# KiCad board uq_phone.kicad_pcb (continued)
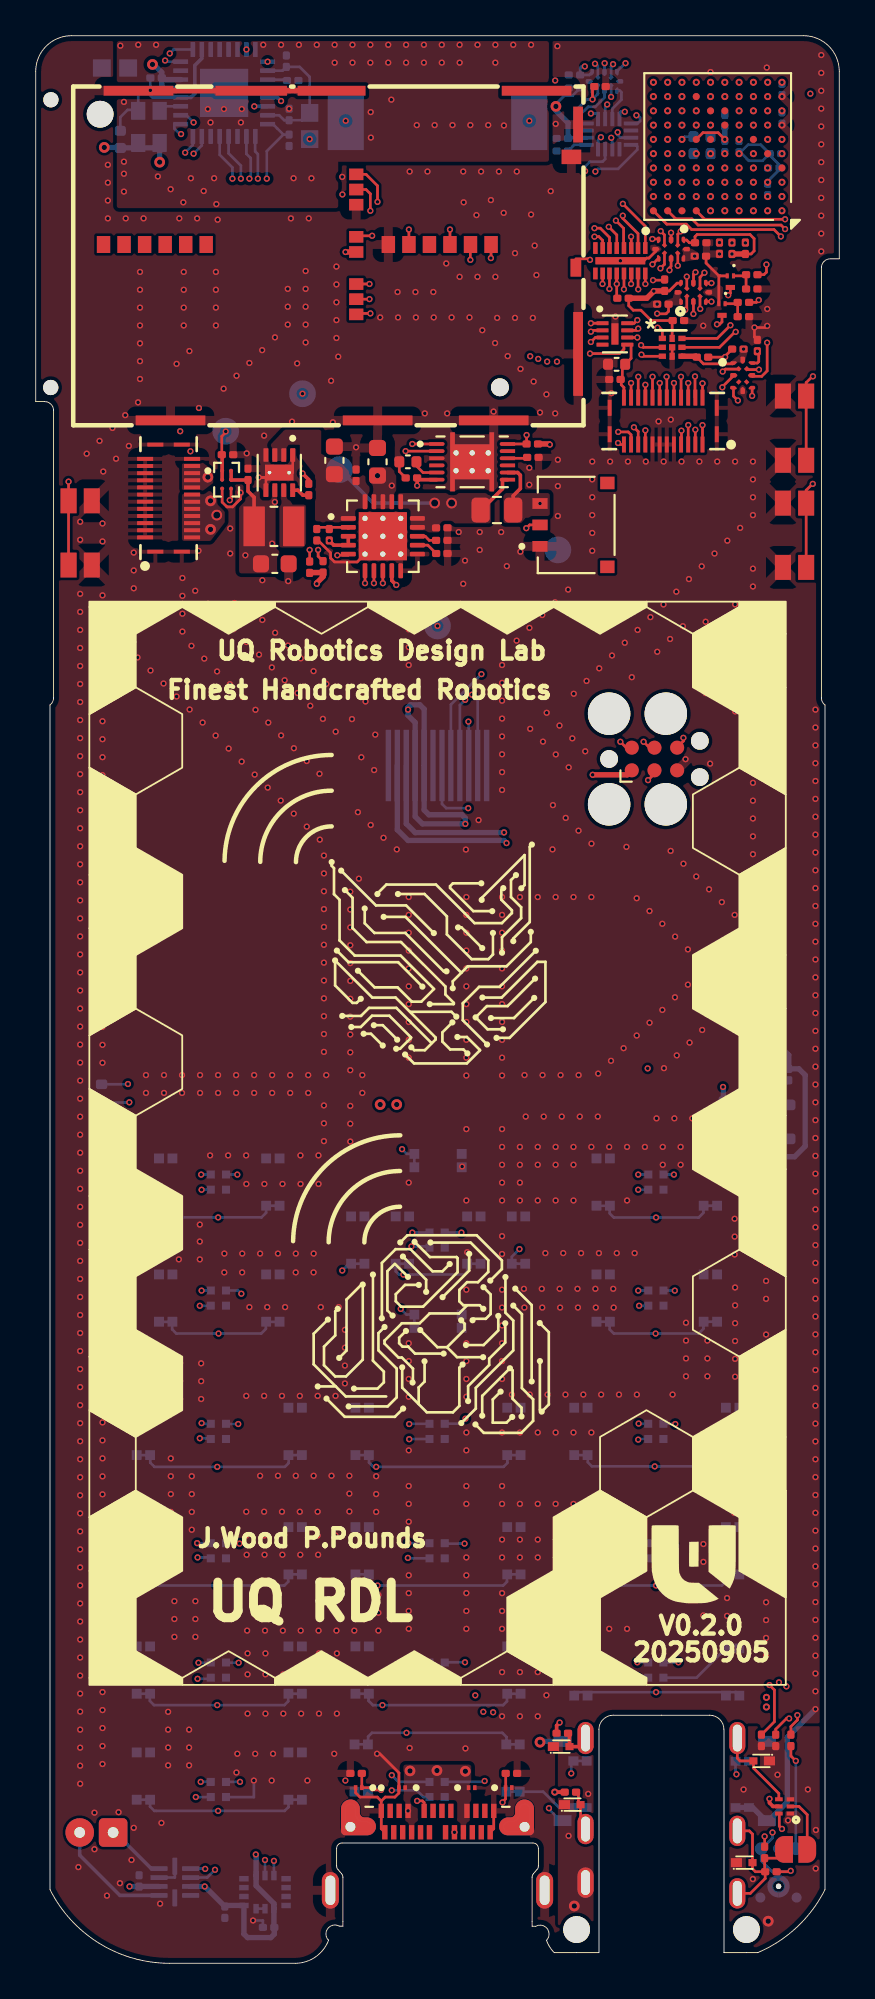
[diagram p0: board, top side]
## Routing (per net, layer and track width the routed paths; a pad name or vN(x,y) marks a point on that pad's centre or on a via; arc(x,y) is an arc through that point) (continued)
VBAT: length 22
  Top w0.2: U3.7 26.14,83.12 26.14,82.62 24.95,81.42 R9.2
  In2.Cu w0.825: v2(23.29,81.81) 14.47,81.81 13.79,81.14 v2(10.14,81.14)
  Bottom w0.2: TP3.1 18.9,81.81 v2(22.34,81.81)
  vias: v3(9.79,81.94) v3(9.79,80.34)
AUD_BCLK: length 28.7
  In1.Cu w0.15: v1(33.64,103.54) 33.34,103.54 32.77,102.97 31.41,102.97 30.74,102.3 19.8,102.3 18.51,101.01 8.68,101.01 8.37,101.33 v1(8.37,101.45)
  Bottom w0.15: v1(33.64,103.54) 33.72,103.54 33.84,103.41 33.84,103.21 33.72,103.09 33.34,103.09 U13.5 ; v1(8.37,101.45) 8.8,101.88 U14.8
AUD_IN: length 29
  In1.Cu w0.15: v1(32.59,102.59) 32.46,102.72 31.52,102.72 30.85,102.04 19.94,102.04 18.65,100.76 8.52,100.76 7.99,101.29 7.99,102.34 v1(8.14,102.49)
  Bottom w0.15: U13.7 32.75,102.28 32.59,102.44 v1(32.59,102.59) ; v1(8.14,102.49) 8.07,102.49 7.77,102.79 7.77,103.04 U14.9
AUD_OUT: length 29.8
  In1.Cu w0.15: v1(8.84,103.14) 8.26,103.14 7.74,102.62 7.74,101.19 8.42,100.51 18.76,100.51 20.04,101.79 31.74,101.79 31.95,102 31.95,102.01 v1(32.23,102.28)
  Bottom w0.15: v1(8.84,103.14) 8.44,103.54 U14.10 ; U13.10 32.29,102.22 v1(32.23,102.28)
AUD_SCL: length 36.9
  Top w0.15: v1(33.9,90.66) 34.02,90.54 U5.2
  In2.Cu w0.15: v1(7.24,106.61) 7.28,106.64 7.34,106.64 8.19,105.79 17.49,105.79 30.19,93.09 33.56,93.09 34.12,92.53 34.12,90.88 v1(33.9,90.66)
  Bottom w0.15: v1(7.24,106.61) 7.28,106.64 7.34,106.64 7.44,106.54 U14.16
AUD_SDA: length 38.1
  Top w0.15: U5.3 34.01,90.04 v1(33.92,90.13)
  In2.Cu w0.15: v1(7.51,107.01) 8.47,106.04 17.59,106.04 30.29,93.34 33.66,93.34 34.37,92.63 34.37,90.58 v1(33.92,90.13)
  Bottom w0.15: U14.17 7.73,107.23 v1(7.51,107.01)
AUD_SW_H: length 4.6
  In2.Cu w0.15: v1(34.59,105.39) 33.95,106.03 31.72,106.03 v1(31.32,106.43)
  Bottom w0.15: U19.2 31.48,106.31 31.36,106.43 v1(31.32,106.43)
AUD_SW_L: length 4.6
  Top w0.15: v1(31.18,104.43) 31.18,105.05 R28.2
  Bottom w0.15: U19.10 31.48,104.73 v1(31.18,104.43) 30.86,104.43 30.19,103.76 30.19,102.82 30.33,102.68 30.85,102.68 30.84,102.68
AUD_SYNC: length 26.5
  In1.Cu w0.15: v1(8.84,101.39) 8.97,101.26 18.41,101.26 19.69,102.55 30.55,102.55 32,104 v1(32,104.15)
  Bottom w0.15: v1(8.84,101.39) 9.3,101.85 U14.7 ; U13.2 31.89,104.04 v1(32,104.15)
BAT_THERM: length 13.3
  Top w0.15: v1(16.89,78.89) 17.51,78.89 ; v1(27.47,80.41) 27.66,80.59 J3.2
  In2.Cu w0.15: v1(16.89,78.89) 16.94,78.84 17.23,78.84 17.95,78.12 25.18,78.12 v1(27.47,80.41)
DISP_BL: length 59.1
  In1.Cu w0.15: v1(43.38,104.75) 43.38,89.3 43.37,89.29 43.37,89.29 43.15,89.07 43.15,89.07 40.88,86.8 40.88,51.29 v1(41.27,50.9)
  In3.Cu w0.15: v1(40.19,104.59) 40.57,104.97 43.12,104.97 43.33,104.75 v1(43.38,104.75)
  Bottom w0.15: v1(41.27,50.9) 41.27,50.37 R26.2
DISP_CS: length 49.6
  In3.Cu w0.15: 36.19,104.61 v1(36.19,104.59) 35.77,105.01 35.77,106.07 35,106.84 30.74,106.84 30.36,106.46 30.36,102 29.89,101.52 29.89,79.05 24.3,73.47 24.3,71.21 v1(24.43,71.08)
  Bottom w0.15: v1(24.43,71.08) 24.75,70.76 DISP1.2
DISP_DC: length 44.4
  In3.Cu w0.15: v1(24.23,69.57) 24.96,70.3 24.96,71.63 24.55,72.04 24.55,73.36 30.14,78.95 30.14,101.42 32.88,104.17 35.81,104.17 v1(36.19,103.79)
  Bottom w0.15: DISP1.3 24.25,69.55 v1(24.23,69.57)
DISP_LEDK: length 33.7
  In1.Cu w0.3: v1(26.37,62.76) 28.27,60.86 35.26,60.86 38.49,57.63 v1(38.49,49.1)
  Bottom w0.3: R27.2 38.51,49.08 v1(38.49,49.1) ; DISP1.11 20.25,63.51 20.85,62.91 26.22,62.91 v1(26.37,62.76)
DISP_RESET: length 48.2
  In3.Cu w0.15: v1(36.19,102.99) 35.81,102.61 34.46,102.61 30.64,98.79 30.64,78.74 25.47,73.57 25.47,65.17 25.02,64.72 v1(24.22,64.72)
  Bottom w0.15: DISP1.6 22.75,64.96 22.99,64.72 v1(24.22,64.72)
DISP_SCL: length 51.8
  In3.Cu w0.15: v1(37.79,104.59) 37.64,104.59 37.39,104.84 37.39,106.19 36.49,107.09 30.63,107.09 30.11,106.56 30.11,102.1 29.64,101.63 29.64,79.16 24.05,73.57 v1(24.05,70.79)
  Bottom w0.15: v1(24.05,70.79) 23.75,70.49 DISP1.4
DISP_SDA: length 44.4
  In3.Cu w0.15: v1(24.96,72.23) 24.96,73.41 30.39,78.84 30.39,100.71 31.02,101.34 32.31,101.34 34.34,103.37 36.61,103.37 v1(36.99,102.99)
  Bottom w0.15: DISP1.5 23.25,70.52 24.96,72.23 v1(24.96,72.23)
FUEL_GPO: length 43.1
  Top w0.15: U3.12 R6.1 v1(27.49,85.62)
  In1.Cu w0.15: v1(27.49,85.62) 20.41,85.62 16.32,89.71 16.32,96.65 20.45,100.79 32.64,100.79 34.44,102.59 34.99,102.59 v1(35.39,102.99)
HP_DET: length 85.4
  Top w0.15: v1(39.32,87.56) 39.08,87.8 U20.5 ; U9.6 41.64,8.36 41.64,7.68 v1(41.79,7.53)
  In1.Cu w0.15: v1(41.79,7.53) 41.82,7.5 41.82,7.17 41.22,6.57 40.68,6.57 40.18,7.07 40.18,50.76 40.61,51.19 40.61,86.27 v1(39.32,87.56)
HP_DET_MCU: length 30.3
  Top w0.15: U20.7 40.12,88.26 v1(40.12,87.82)
  In1.Cu w0.15: v1(34.59,104.59) 35.01,105.01 35.01,105.65 36.46,107.1 41.81,107.1 42.99,105.92 42.99,90.3 40.51,87.82 v1(40.12,87.82)
HP_LEFT: length 130.6
  Top w0.2: v1(29.34,13.49) 29.17,13.32 C48.1
  In2.Cu w0.211: v4(40.92,14.9) 42.04,14.9 42.45,15.3 42.45,53.88 34.65,61.68 19.71,61.68 7.34,74.05 7.34,86.36 13.35,92.36 13.35,103.28 12.59,104.04 v1(12.24,104.04)
  In4.Cu w0.211: v4(40.92,14.9) 40.53,14.9 40.29,14.65 30.78,14.65 30.57,14.44 30.29,14.44 v1(29.34,13.49) ; v4(40.92,14.9) 40.94,14.92 40.94,14.98 ; v4(40.92,14.9) 40.98,14.9 41,14.92
  Bottom w0.211: U14.30 12.98,104.04 v1(12.24,104.04)
HP_LEFT_DET: length 4.8
  Top w0.15: U9.4 41.62,9.51 40.19,10.94 D8.2 39.44,11.34 39.29,11.49 J1.4
HP_MIC: length 122.3
  Top w0.15: v1(40.82,7.11) C47.1 ; 40.82,6.42 40.74,6.5
  In1.Cu w0.15: v1(40.82,7.11) 40.82,7.31 40.44,7.69 40.44,13.16 41.62,14.34 v1(41.62,15.74)
  In2.Cu w0.15: v1(41.62,15.74) 41.67,15.74 41.92,15.99 41.92,52.32 33.59,60.64 19.28,60.64 6.31,73.62 6.31,86.78 11.49,91.97 v1(11.49,99.99)
  Bottom w0.15: v1(11.49,99.99) 11.49,100.72 10.8,101.41 U14.4
HP_MIC_GND: length 115.7
  Top w0.15: v1(41.09,15.59) 41.37,15.31 41.37,13.54 C45.1
  In2.Cu w0.15: v1(41.09,15.59) 41.09,15.74 41.66,16.31 41.66,52.22 33.49,60.39 19.18,60.39 6.05,73.52 6.05,86.89 11.01,91.85 v1(11.01,99.99)
  Bottom w0.15: U14.5 10.3,101.33 11.01,100.62 v1(11.01,99.99)
HP_RIGHT: length 134.2
  Top w0.211: v4(29.07,9.59) 29.62,9.59 C49.1
  In2.Cu w0.211: v1(13.74,104.34) 13.74,94.01 13.71,93.98 13.71,93.65 13.74,93.62 13.74,93.01 13.71,92.98 13.71,92.65 13.74,92.62 13.74,92.31 7.65,86.23 7.65,74.18 19.84,61.99 34.78,61.99 35.05,61.71 35.07,61.71 42.77,54.01 42.77,15.09 42.04,14.36 40.97,14.36 40.92,14.41 v4(40.92,14.36)
  In4.Cu w0.211: 40.81,14.34 30.91,14.34 29.07,12.5 v4(29.07,9.59) ; v4(40.92,14.36) 40.92,14.41
  Bottom w0.211: v1(13.74,104.34) 13.54,104.54 U14.29
LED_DATA: length 91
  In2.Cu w0.15: v1(40.99,105.39) 41.37,105.01 42.07,105.01 42.89,104.19 42.89,58.69 v1(41.49,57.29) ; v1(34.27,50.14) 33.4,49.26 v1(5.17,49.26)
  In3.Cu w0.15: v1(34.27,50.14) 41.42,57.29 v1(41.49,57.29)
  Bottom w0.15: R42.2 5.15,49.25 v1(5.17,49.26)
MCP_PG: length 42.7
  Top w0.15: U2.6 v1(18.44,77.32)
  In1.Cu w0.15: v1(34.59,102.99) 34.34,102.99 32.39,101.04 20.35,101.04 16.06,96.75 16.06,79.52 16.51,79.07 16.51,78.37 17.54,77.34 18.43,77.34 v1(18.44,77.32)
MCP_STAT1: length 47.1
  Top w0.15: 34.54,103.74 v1(34.59,103.79) ; 19.44,77.95 v1(19.44,77.32) ; R24.1 v1(15.34,79.19)
  In1.Cu w0.15: v1(34.59,103.79) 34.43,103.79 32.18,101.54 20.14,101.54 15.54,96.94 15.54,79.54 15.34,79.34 v1(15.34,79.19) 15.34,78.24 16.94,76.64 18.79,76.64 19.44,77.29 v1(19.44,77.32)
MCP_STAT2: length 46.1
  Top w0.15: R23.1 15.82,78.83 v1(15.82,79.19) ; 18.94,77.95 v1(18.94,77.32)
  In1.Cu w0.15: v1(18.94,77.32) 18.94,77.29 18.6,76.95 17.43,76.95 15.82,78.56 v1(15.82,79.19) 15.81,79.19 15.81,96.86 20.25,101.29 32.29,101.29 34.39,103.39 34.99,103.39 v1(35.39,103.79)
MCU_AUD_BCLK_H: length 10.1
  In2.Cu w0.15: v1(40.19,103.79) 39.79,104.19 39.79,105.86 39.04,106.61 33.18,106.61 v1(33.03,106.46)
  Bottom w0.15: U19.5 32.56,105.94 32.56,106.01 33.01,106.46 v1(33.03,106.46)
MCU_AUD_BCLK_L: length 2
  Bottom w0.15: U13.3 32.29,103.9 32.8,104.41 32.8,104.83 32.71,104.92 U19.7
MCU_AUD_OUT_L: length 4.2
  In2.Cu w0.15: v1(32.22,104.57) 31.89,104.57 31.55,104.23 31.55,102.41 v1(31.65,102.31)
  Bottom w0.15: U13.12 31.49,102.15 v1(31.65,102.31) ; v1(32.22,104.57) U19.8
MCU_AUD_OUT_L_H: length 9.7
  In2.Cu w0.15: v1(40.19,105.39) 40.19,105.89 39.22,106.86 32.79,106.86 v1(32.33,106.4)
  Bottom w0.15: v1(32.33,106.4) 32.22,106.29 U19.4
MCU_AUD_SYNC_H: length 13.1
  In2.Cu w0.15: v1(40.19,102.99) 40.59,103.39 40.59,105.97 39.45,107.11 32.51,107.11 31.86,106.46 v1(31.86,106.46)
  Bottom w0.15: U19.3 31.85,106.45 v1(31.86,106.46)
MCU_AUD_SYNC_L: length 2.9
  Bottom w0.15: 30.85,103.08 30.6,103.08 30.49,103.19 30.49,103.57 30.93,104.02 31.34,104.02 31.84,104.52 31.84,104.73 31.85,104.73 U19.9
MCU_CTS: length 4.2
  Top w0.15: U17.4 35.21,96.84 v1(35,97.05)
  In1.Cu w0.15: v1(35,97.05) 34.15,97.9 34.15,99.35 v1(34.59,99.79)
MCU_DCD: length 6.2
  Top w0.15: v1(37.45,94.72) 37.2,94.47 U18.8
  In2.Cu w0.15: v1(37.45,94.72) 37.41,94.76 37.41,99.37 v1(36.99,99.79)
MCU_DSR: length 7.5
  Top w0.15: v1(36.95,94.75) 36.84,94.64 36.84,94.13 U18.9
  In1.Cu w0.15: v1(35.39,100.59) 35.77,100.21 35.77,97.93 37.38,96.31 37.38,95.18 v1(36.95,94.75)
MCU_DTR: length 7.5
  Top w0.15: v1(37.84,94.14) 37.7,94.14 37.7,94.13 U18.7
  In1.Cu w0.15: v1(36.19,100.59) 36.59,100.19 36.59,97.89 37.84,96.64 v1(37.84,94.14)
MCU_RI: length 10.7
  Top w0.15: v1(36.46,94.5) U18.10
  In1.Cu w0.15: v1(34.59,102.19) 33.65,101.25 33.65,96.96 34.37,96.23 35.68,96.23 36.46,95.45 v1(36.46,94.5)
MCU_RTS: length 2.9
  Top w0.15: U17.3 v1(35.58,96.96)
  In1.Cu w0.15: v1(34.59,98.99) 34.59,97.99 35.58,97 v1(35.58,96.96)
MCU_RXD: length 4.9
  Top w0.15: v1(34.53,96.61) 34.84,96.61 U17.5
  In1.Cu w0.15: v1(34.53,96.61) 33.9,97.24 33.9,99.9 v1(34.59,100.59)
MCU_TXD: length 4.2
  Top w0.15: U17.2 35.96,96.27 35.96,96.88 v1(36.12,97.04)
  In1.Cu w0.15: v1(35.39,99.79) 35.01,99.41 35.01,98.15 v1(36.12,97.04)
MIC_BIAS: length 128.2
  Top w0.15: v1(42.28,5.18) 42.23,5.13 R36.2
  In1.Cu w0.15: v1(41.26,7.33) 40.69,7.9 40.69,13.04 42.04,14.39 v1(42.04,15.51)
  In2.Cu w0.15: v1(42.04,15.51) 42.07,15.51 42.17,15.62 42.17,53.76 34.53,61.4 19.59,61.4 7.06,73.93 7.06,86.47 12.94,92.35 v1(12.94,99.99)
  Bottom w0.15: v1(42.28,5.18) 42.23,5.13 41.24,5.13 40.63,5.74 MK1.4 40.67,6.42 41.26,7.02 v1(41.26,7.33) ; v1(12.94,99.99) 12.94,101.53 13.87,102.46 ; 13.87,102.46 13.29,103.04 U14.32 ; 13.87,102.46 C44.1
MIC_GND: length 115.9
  Top w0.15: C37.2 41.44,13.11 42.04,13.71 v1(42.19,13.71)
  In1.Cu w0.15: v1(42.19,13.71) 42.19,13.99 42.62,14.42 42.62,52.16 v1(41.44,53.34)
  In2.Cu w0.15: v1(11.96,99.99) 11.96,92.09 6.56,86.68 6.56,73.72 19.39,60.89 33.89,60.89 v1(41.44,53.34)
  Bottom w0.15: U14.2 11.8,101.38 12.04,101.14 12.04,100.07 v1(11.96,99.99)
MIC_OUT: length 115.8
  Top w0.15: 42.34,12.81 42.29,12.86 42.29,13.26 42.65,13.63 v1(42.65,13.9)
  In1.Cu w0.15: v1(41.44,53.94) 42.87,52.51 42.87,14.12 v1(42.65,13.9)
  In2.Cu w0.15: v1(12.44,99.99) 12.44,92.21 6.81,86.58 6.81,73.83 19.49,61.15 34.23,61.15 v1(41.44,53.94)
  Bottom w0.15: v1(12.44,99.99) 12.44,101.36 12.29,101.51 12.29,102.35 U14.1
MIC_PIN: length 8.3
  Top w0.15: JP1.1 41.91,5.89 C47.2 40.82,5.16 R36.1 ; R36.1 40.85,4.75 40.02,3.92 J1.6 ; R36.1 40.31,5.13 40.14,5.3 D11.2 40.14,7.24 39.96,7.42 J1.5
MOB_AUD_BCLK: length 24.1
  Top w0.15: 34.14,85.09 v1(34.14,85.89)
  In2.Cu w0.15: v1(34.14,85.89) 34.14,86.09 33.72,86.51 31.71,86.51 29.19,89.03 v1(29.19,89.74)
  In4.Cu w0.15: v1(29.19,89.74) 29.19,97.71 32.99,101.51 v1(32.99,103.74)
  Bottom w0.15: U13.4 32.69,103.66 32.77,103.74 v1(32.99,103.74)
MOB_AUD_IN: length 22.9
  Top w0.15: 33.74,85.09 33.74,85.82 v1(33.5,86.06)
  In2.Cu w0.15: v1(28.64,89.74) 28.64,89.23 31.67,86.2 33.36,86.2 v1(33.5,86.06)
  In4.Cu w0.15: v1(31.34,100.39) 28.94,97.99 28.94,90.04 v1(28.64,89.74)
  Bottom w0.15: 33.34,101.88 33.6,101.88 33.69,101.79 33.69,101.61 32.62,100.54 31.49,100.54 v1(31.34,100.39)
MOB_AUD_OUT: length 21.6
  Top w0.15: 33.34,85.09 33.34,85.64 33.18,85.8 v1(32.62,85.8)
  In2.Cu w0.15: v1(32.62,85.8) 31.71,85.8 28.14,89.37 v1(28.14,89.89)
  In4.Cu w0.15: 28.21,89.82 v1(28.14,89.89) 28.69,90.44 28.69,98.19 30.77,100.26 v1(30.77,100.41)
  Bottom w0.15: v1(30.77,100.41) 30.77,100.66 31.04,100.94 31.74,100.94 31.89,101.09 U13.11
MOB_AUD_SYNC: length 23.5
  Top w0.15: 32.94,85.09 32.7,85.09 v1(32.61,85.18)
  In2.Cu w0.15: v1(27.69,90.04) 27.64,89.99 27.64,89.52 31.98,85.18 v1(32.61,85.18) ; 31.04,103.59 v1(31.09,103.64)
  In4.Cu w0.15: v1(31.09,103.64) 31.09,102.34 30.19,101.44 30.19,100.11 28.44,98.36 28.44,90.79 v1(27.69,90.04)
  Bottom w0.15: v1(31.09,103.64) 31.49,103.64 U13.1
MOB_CTS: length 8.8
  Top w0.15: J9.18 35.34,88.88 v1(35.33,88.89) ; J9.18 35.34,87.4 ; J9.18 35.33,87.74 ; v1(34.99,94.96) 35.21,95.19 U17.8
  In2.Cu w0.15: v1(35.33,88.89) 35.33,89.32 35.47,89.46 35.47,94.35 34.99,94.83 v1(34.99,94.96)
MOB_DCD: length 5.8
  Top w0.15: 36.94,87.41 36.94,87.4 ; v1(36.92,88.91) 36.92,87.74 J9.14 ; U18.4 37.2,92.71 v1(37.21,92.69)
  In2.Cu w0.15: v1(36.92,88.91) 36.92,91.97 37.21,92.26 v1(37.21,92.69)
MOB_DSR: length 5.5
  Top w0.15: v1(36.83,92.41) U18.3 ; J9.15 v1(36.54,88.54)
  In2.Cu w0.15: v1(36.54,88.54) 36.54,92.12 v1(36.83,92.41)
MOB_DTR: length 5.9
  Top w0.15: v1(37.84,93.1) 37.84,93.1 37.52,93.1 ; v1(37.34,88.52) J9.13
  In2.Cu w0.15: v1(37.34,88.52) 37.34,90.57 37.77,91 37.77,93.03 v1(37.84,93.1)
MOB_PWR: length 9.5
  Top w0.15: 38.78,93.55 v1(38.78,93.46) 38.79,93.46 38.9,93.57 Q1.3 ; v1(37.34,86.18) 37.34,85.09
  In1.Cu w0.15: v1(37.34,86.18) 37.34,87.49 37.99,88.14 37.99,90.37 38.53,90.91 38.53,93.2 38.78,93.45 v1(38.78,93.46)
MOB_PWR_CTL: length 4
  Top w0.15: R16.2 40.78,94.61 40.92,94.75 v1(40.92,95.18)
  In2.Cu w0.15: v1(40.99,98.19) 40.92,98.12 v1(40.92,95.18)
MOB_RI: length 6.5
  Top w0.15: v1(34.54,88.89) 34.54,88.89 J9.20 ; v1(36.37,92.64) 36.46,92.73 U18.2
  In3.Cu w0.15: v1(34.54,88.89) 36.37,90.72 v1(36.37,92.64)
MOB_RST: length 8.3
  Top w0.15: v1(38.15,91.83) 38.3,91.83 38.43,91.96 Q2.3 ; v1(36.94,85.92) 36.94,85.1 36.94,85.09 36.94,84.77
  In1.Cu w0.15: v1(36.94,85.92) 36.94,87.44 37.74,88.24 37.74,90.47 38.15,90.88 v1(38.15,91.83)
MOB_RST_CTL: length 6.3
  Top w0.15: R17.2 40.36,93.06 v1(40.49,93.19)
  In2.Cu w0.15: v1(40.49,93.19) 41.31,94.01 41.31,97.96 41.54,98.19 v1(41.79,98.19)
MOB_RTS: length 8
  Top w0.15: J9.17 v1(35.74,88.54) ; U17.9 35.58,95.08 35.49,94.99 v1(35.49,94.86)
  In2.Cu w0.15: v1(35.74,88.54) 35.74,94.61 v1(35.49,94.86)
MOB_RXD: length 9.1
  Top w0.15: J9.19 34.94,88.54 v1(34.94,88.54) ; v1(34.54,95.19) 34.54,95.19 34.87,95.52 U17.7 ; 34.94,88.14 34.94,88.13 34.94,87.4
  In2.Cu w0.15: v1(34.94,88.54) 34.94,89.29 35.22,89.57 35.22,94.19 34.55,94.86 34.55,95.18 v1(34.54,95.19)
MOB_SAFE_PWR_REMOVE_H: length 26.8
  Top w0.15: v1(40.96,90.8) 40.96,89.22 40.66,88.91 40.15,88.91 U20.9
  In1.Cu w0.15: v1(35.39,104.59) 35.81,105.01 35.81,105.55 36.87,106.6 41.6,106.6 42.49,105.71 42.49,92.33 v1(40.96,90.8)
MOB_SAFE_PWR_REMOVE_L: length 6.5
  Top w0.15: v1(36.54,86.19) 36.54,86.18 36.54,85.09 ; v1(38.45,88.3) 38.45,88.32 39.09,88.97 U20.3
  In1.Cu w0.15: v1(38.45,88.3) 38.45,86.76 37.24,85.55 36.78,85.55 36.54,85.79 v1(36.54,86.19)
MOB_TXD: length 8.2
  Top w0.15: U17.10 35.96,95.81 v1(35.96,95.11) ; 36.14,87.41 36.14,87.4 ; v1(36.14,88.89) 36.14,88.89 J9.16
  In2.Cu w0.15: v1(35.96,95.11) 35.99,95.08 35.99,89.56 36.14,89.42 v1(36.14,88.89)
MOB_WAKE_H: length 27.4
  Top w0.15: v1(40.5,89.29) 39.86,89.29 U20.10
  In1.Cu w0.15: v1(35.39,105.39) 35.39,105.67 36.57,106.85 41.7,106.85 42.74,105.82 42.74,90.4 41.63,89.29 v1(40.5,89.29)
MOB_WAKE_L: length 7.9
  Top w0.15: v1(36.16,85.87) 36.16,85.11 36.14,85.09 ; v1(38.47,89.18) 38.49,89.18 38.63,89.32 39.35,89.32 U20.2
  In1.Cu w0.15: v1(38.47,89.18) 38.47,88.9 38.84,88.53 38.84,86.79 37.34,85.3 36.68,85.3 36.16,85.81 v1(36.16,85.87)
PB_0: length 111.2
  In3.Cu w0.15: v1(40.19,98.19) 40.19,97.57 41.88,95.88 41.88,95.88 42.11,95.65 42.11,90.17 41.63,89.69 41.63,58.11 31.59,48.06 22.17,48.06 20.06,45.96 20.06,13.62 v1(20.77,12.91)
  Bottom w0.15: 18.62,12.29 18.62,12.7 18.83,12.91 v1(20.77,12.91) 26.13,12.91 26.37,12.68 26.37,12.29 ; SW39.3 SW39.1 ; SW34.1 SW34.3
PB_1: length 90.6
  In3.Cu w0.15: v1(40.19,99.79) 40.61,99.37 42.05,99.37 42.86,98.56 42.86,89.85 42.39,89.37 42.39,30.39 39.84,27.84 v1(34.67,27.84)
  Bottom w0.15: SW28.3 SW28.1 ; 38.67,28.46 38.67,28.06 38.45,27.84 v1(34.67,27.84) 31.15,27.84 30.92,28.08 30.92,28.46 ; SW24.3 SW24.1
PB_2: length 96.3
  In3.Cu w0.15: v1(38.59,98.19) 38.59,98.1 41.36,95.34 41.36,90.48 40.88,90 40.88,58.42 31.28,48.82 21.85,48.82 19.31,46.28 19.31,28.06 v1(19.07,27.82)
  Bottom w0.15: 26.42,28.44 26.42,28.03 26.2,27.82 v1(19.07,27.82) ; 18.67,28.44 18.67,28.05 18.9,27.82 ; SW25.1 SW25.3 ; SW29.1 SW29.3
PB_3: length 103.2
  In4.Cu w0.15: v1(10.17,27.82) 13.77,27.82 17.84,31.89 17.84,44.81 21.84,48.82 31.28,48.82 41.14,58.68 41.14,89.96 41.36,90.18 41.36,95.34 39.39,97.31 38.39,97.31 37.79,97.91 v1(37.79,98.19)
  Bottom w0.15: 6.42,28.44 6.42,28.05 6.65,27.82 v1(10.17,27.82) 13.95,27.82 14.17,28.03 14.17,28.44 ; SW30.1 SW30.3 ; SW26.3 SW26.1
PB_4: length 96.6
  In3.Cu w0.15: v1(41.79,99.79) 42.07,99.79 43.11,98.75 43.11,89.74 42.64,89.27 42.64,23.04 40.77,21.17 v1(34.74,21.17)
  Bottom w0.15: SW18.3 SW18.1 ; 30.89,21.79 30.89,21.4 31.13,21.17 v1(34.74,21.17) 38.43,21.17 38.64,21.38 38.64,21.79 ; SW12.3 SW12.1
PB_5: length 104.9
  In3.Cu w0.15: v1(38.59,99.79) 39.01,99.37 39.01,98.03 41.37,95.67 41.37,95.67 41.61,95.44 41.61,90.38 41.13,89.9 41.13,58.32 31.38,48.57 21.96,48.57 19.56,46.17 19.56,21.59 v1(19.14,21.17)
  Bottom w0.15: SW13.1 SW13.3 ; 18.64,21.79 18.64,21.4 18.88,21.17 v1(19.14,21.17) 26.18,21.17 26.39,21.38 26.39,21.79 ; SW19.3 SW19.1
PB_6: length 111.5
  In4.Cu w0.15: v1(10.14,21.17) 14.89,21.17 18.09,24.36 18.09,44.71 21.95,48.57 31.38,48.57 41.39,58.58 41.39,89.86 41.61,90.07 41.61,95.45 39.49,97.56 38.69,97.56 38.17,98.08 38.17,98.61 v1(37.79,98.99)
  Bottom w0.15: SW20.3 SW20.1 ; SW14.3 SW14.1 ; 6.39,21.79 6.39,21.4 6.63,21.17 v1(10.14,21.17) 13.93,21.17 14.14,21.38 14.14,21.79
PB_7: length 103.3
  In3.Cu w0.15: v1(34.74,15.19) 35.19,15.64 40.02,15.64 42.89,18.51 42.89,89.16 43.36,89.64 43.36,98.85 42.05,100.17 40.61,100.17 v1(40.19,100.59)
  Bottom w0.15: SW7.1 39.21,15.19 v1(34.74,15.19) 30.15,15.19 30.15,15.16
PB_8: length 111.4
  In3.Cu w0.15: v1(39.39,99.79) 39.77,99.41 39.77,97.64 41.63,95.78 41.63,95.78 41.86,95.54 41.86,90.27 41.38,89.8 41.38,58.21 31.49,48.32 22.06,48.32 19.81,46.07 19.81,14.86 v1(19.42,14.47)
  Bottom w0.15: 18.64,15.09 18.64,14.7 18.88,14.47 v1(19.42,14.47) 26.18,14.47 26.39,14.68 26.39,15.09 ; SW8.1 SW8.3 ; SW2.3 SW2.1
PB_9: length 118.5
  In4.Cu w0.15: v1(10.17,14.47) 16.17,14.47 18.34,16.64 18.34,44.6 22.05,48.32 31.49,48.32 41.64,58.47 41.64,89.75 41.86,89.97 41.86,95.55 39.59,97.81 39.23,97.81 38.97,98.08 38.97,98.24 38.97,98.24 38.97,98.61 v1(38.59,98.99)
  Bottom w0.15: SW3.1 SW3.3 ; 14.14,15.09 14.14,14.68 13.93,14.47 v1(10.17,14.47) 6.63,14.47 6.39,14.7 6.39,15.09 ; SW9.3 SW9.1
PB_CALL: length 78.2
  In3.Cu w0.15: v1(34.72,35.28) 39.68,35.28 42.14,37.73 42.14,89.48 42.61,89.96 42.61,98.45 42.07,98.99 v1(41.79,98.99)
  Bottom w0.15: SW36.3 SW36.1 ; 37.39,35.94 37.39,35.55 37.13,35.28 v1(34.72,35.28) 32.38,35.28 32.14,35.52 32.14,35.94 ; SW41.1 SW41.3
PB_DPAD_DOWN: length 86.1
  In3.Cu w0.15: v1(40.19,98.99) 40.61,98.57 41.95,98.57 42.36,98.15 42.36,90.06 41.88,89.59 41.88,39.58 41.14,38.84 21.74,38.84 20.44,37.54 v1(20.44,36.66)
  Bottom w0.15: SW17.1 SW17.3 20.76,36.35 v1(20.44,36.66)
PB_DPAD_LEFT: length 79.5
  In4.Cu w0.15: v1(27.09,40.01) 29.24,42.16 38.51,42.16 42.65,46.3 42.65,89.28 42.86,89.49 42.86,101.94 42.24,102.56 39.82,102.56 v1(39.39,102.99)
  Bottom w0.15: v1(27.09,40.01) 26.66,39.58 SW37.3 SW37.1